# KiCad board kicad.kicad_pcb (continued)
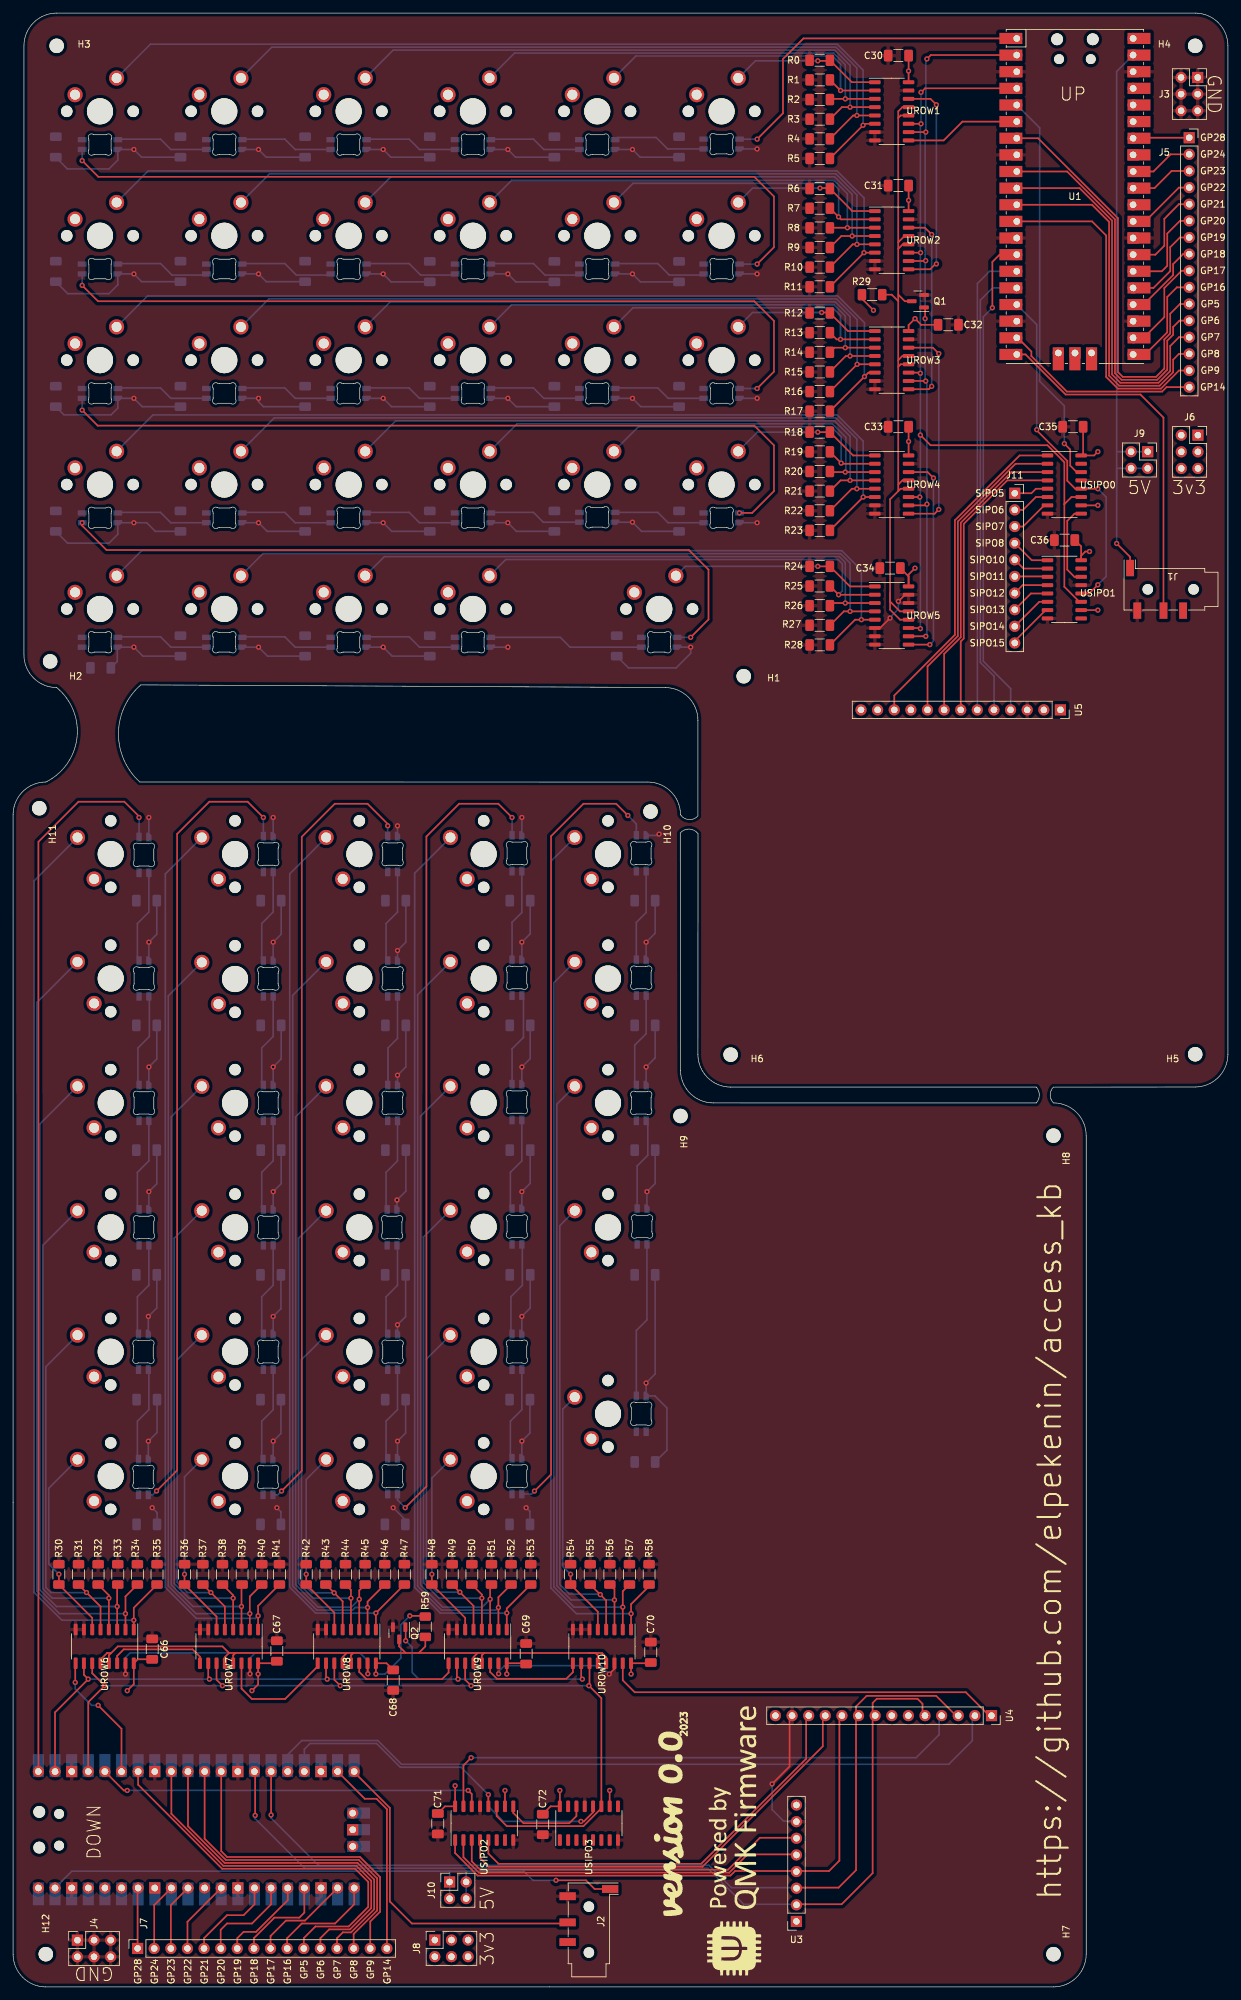
[diagram p0: board, top side]
## Routing (per net, layer and track width the routed paths; a pad name or vN(x,y) marks a point on that pad's centre or on a via; arc(x,y) is an arc through that point) (continued)
RGB23_OUT_L: length 112.5
  Top w0.25: v1(103.55,206.1) 106.28,208.83 106.28,216.43 103.28,219.43 14.28,219.43 10.56,223.16 v1(10.56,223.6)
  Bottom w0.25: v1(103.55,206.1) LED24.3
RGB23_OUT_R: length 121.3
  Top w0.25: v1(93.96,178.9) 92.17,180.69 87.17,180.69 82.22,175.74 82.22,78.26 v1(79.68,75.72)
  Bottom w0.25: v1(93.96,178.9) 95.25,177.6 LED53.3 ; v1(79.68,75.72) 79.24,75.28 LED52.2
RGB_DATA_L: length 53.6
  Top w0.25: U1.1 120.79,297.56 117.66,294.43 117.66,286.13 v1(113.71,282.18)
  Bottom w0.25: LED0.3 v1(113.71,282.18)
RGB_DATA_R: length 164
  Top w0.25: U2.1 3.87,174.87 10,181 17,181 19.25,178.75 v1(19.25,178.59)
  Bottom w0.25: LED29.3 v1(19.25,178.59)
ROW2_OUT_L: length 33.5
  Top w0.25: UROW1.14 140.2,288.34 v1(141.11,287.43) ; UROW2.9 140.16,262.31 140.97,263.12 v1(141.11,263.12)
  Bottom w0.25: v1(141.11,287.43) v1(141.11,263.12)
ROW2_OUT_R: length 15.7
  Top w0.25: 28.56,49.43 28.56,50.43 27.43,51.55 16.91,51.55 15.91,50.55 15.91,49.43
ROW3_OUT_L: length 30.9
  Top w0.25: v1(140.38,267.62) 139.35,268.66 UROW2.14 ; v1(140.38,244.43) 139.94,243.99 UROW3.9
  Bottom w0.25: v1(140.38,267.62) v1(140.38,244.43)
ROW3_OUT_R: length 18.2
  Top w0.25: UROW7.14 34.91,45.57 36.5,43.97 41.58,43.97 46.56,48.95
ROW4_OUT_L: length 33.7
  Top w0.25: v1(141.47,249.43) 140.57,250.34 UROW3.14 ; v1(141.47,225.62) 140.84,224.99 UROW4.9
  Bottom w0.25: v1(141.47,249.43) v1(141.47,225.62)
ROW4_OUT_R: length 17.3
  Top w0.25: 66.56,49.43 66.56,48 65.56,47 54,47 52.91,48.1 UROW8.14
ROW5_OUT_L: length 33.1
  Top w0.25: v1(140.66,230.43) 139.76,231.34 UROW4.14 ; v1(140.11,204.99) UROW5.9
  Bottom w0.25: v1(140.11,204.99) 140.66,205.54 v1(140.66,230.43)
ROW5_OUT_R: length 16.2
  Top w0.25: 85.56,49.43 85.56,48.07 84.55,47.06 73.95,47.06 72.91,48.1 72.91,49.43
SCK_L: length 74.9
  Top w0.25: U1.14 150.77,264.54 149.66,263.43 v1(149.66,256.43)
  Bottom w0.25: v1(149.66,256.43) 148.28,255.05 148.28,202.45 152.46,198.27 152.46,195.01
SCK_R: length 144.8
  Top w0.25: 138.99,41.46 138.99,43.24 138.22,44 132,44 131.37,43.37 131.37,17.37 126.62,12.62 119.82,12.62 ; v1(37,26.19) 37,32.78
  Bottom w0.25: 119.82,12.62 111.66,12.62 106.16,18.12 44.57,18.12 37,25.69 v1(37,26.19)
SCREEN_DC_L: length 46.1
  Top w0.25: USIPO0.3 152.57,231.34 144.84,223.61 144.84,206.11 142.3,203.57 142.3,195.01
SCREEN_DC_R: length 85.3
  Top w0.25: 126.29,41.46 126.29,19.29 124.7,17.7 110.34,17.7 109.64,17 71,17 67.56,20.45 67.56,22.43
SIPO_1: length 5.3
  Top w0.25: USIPO0.5 156.32,228.8 155.62,228.1 J11.1
SIPO_2: length 5.8
  Top w0.25: J11.2 154.35,225.56 156.32,227.53 USIPO0.6
SIPO_3: length 5.8
  Top w0.25: J11.3 154.35,223.02 157.59,226.26
SIPO_4: length 6.1
  Top w0.25: J11.4 155.69,217.88 USIPO1.1
SIPO_5: length 5.6
  Top w0.25: USIPO1.2 154.42,216.61 J11.5
SIPO_6: length 4.9
  Top w0.25: 158.02,215.4 J11.6
SIPO_7: length 5.5
  Top w0.25: USIPO1.4 154.29,214.07 J11.7
SIPO_8: length 6
  Top w0.25: J11.8 155.56,212.8 USIPO1.5
SIPO_9: length 6.6
  Top w0.25: USIPO1.6 156.83,211.53 J11.9
SIPO_10: length 6.7
  Top w0.25: 157.81,210.26 153.08,205.53
SIPO_CS_L: length 54.1
  Top w0.25: v1(165.78,228.8) 162.32,228.8 161.11,230.01 161.11,233.03 156.44,237.7 v1(156.44,237.81) ; USIPO1.12 164.45,212.8 v1(165.78,214.13)
  Bottom w0.25: v1(156.44,237.81) 156.44,253.87 U1.17 ; v1(165.78,214.13) 167.05,215.4 167.05,227.53 v1(165.78,228.8)
SIPO_CS_R: length 57.1
  Top w0.25: v1(86.78,25.27) 87.24,25.27 88.64,26.66 88.64,27.58 ; 72.64,27.58 v1(72.64,29.37)
  Bottom w0.25: U2.17 44.51,36.29 45.39,37.17 55.55,37.17 59.17,33.55 68.45,33.55 v1(72.64,29.37) 72.64,27.58 74.94,25.27 v1(86.78,25.27)
VSYS_L: length 91.8
  Top w0.25: J1.S 170.71,218.38 v1(168.66,220.43)
  Bottom w0.25: 173.36,234.45 168.66,234.45 ; 168.66,229.71 168.66,292.51 U1.39 ; 168.66,229.71 v1(168.66,220.43) ; 168.66,229.71 168.66,231.91 173.36,231.91
VSYS_R: length 95.5
  Top w0.25: J2.S 88.88,14.95 87.55,16.28 v1(82.97,16.28)
  Bottom w0.25: 66.61,17.67 66.71,17.58 J10.1 J10.2 ; 66.61,17.67 69.15,17.67 ; 66.61,17.67 8.97,17.67 U2.39 ; 69.15,17.67 69.25,17.67 69.25,13.49 ; 69.15,17.67 78.04,17.67 79.43,16.28 v1(82.97,16.28)
Net-(LED0-Pad2): length 14.4
  Bottom w0.25: LED1.3 92.34,282.43 98.28,282.43 100.03,280.68 LED0.2
Net-(LED1-Pad2): length 13.7
  Bottom w0.25: 73.59,282.18 79.53,282.18 81.11,280.6 86.64,280.6
Net-(LED2-Pad2): length 13.7
  Bottom w0.25: 54.59,282.18 60.53,282.18 62.11,280.6 67.64,280.6
Net-(LED3-Pad2): length 13.7
  Bottom w0.25: 48.64,280.6 43.11,280.6 41.53,282.18 35.59,282.18
Net-(LED4-Pad2): length 13.7
  Bottom w0.25: 29.64,280.6 24.11,280.6 22.53,282.18 16.59,282.18
Net-(LED5-Pad2): length 123.8
  Top w0.25: v1(10.56,278.9) 13.03,276.43 113.28,276.43 116.28,273.43 116.28,265.67 v1(113.71,263.1)
  Bottom w0.25: 10.56,280.6 v1(10.56,278.9) ; LED6.3 v1(113.71,263.1)
Net-(LED6-Pad2): length 13.9
  Bottom w0.25: 105.81,261.43 100.28,261.43 98.53,263.18 92.59,263.18
Net-(LED8-Pad2): length 13.9
  Bottom w0.25: 54.59,263.18 60.53,263.18 62.28,261.43 67.81,261.43
Net-(LED10-Pad2): length 13.9
  Bottom w0.25: 29.81,261.43 24.28,261.43 22.53,263.18 16.59,263.18
Net-(LED10-Pad3): length 13.9
  Bottom w0.25: 35.59,263.18 41.53,263.18 43.28,261.43 48.81,261.43
Net-(LED11-Pad2): length 123.8
  Top w0.25: v1(10.56,259.85) 12.98,257.43 113.28,257.43 116.28,254.43 116.28,246.67 v1(113.71,244.1)
  Bottom w0.25: v1(10.56,259.85) 10.56,261.6 ; LED12.3 v1(113.71,244.1)
Net-(LED12-Pad2): length 13.7
  Bottom w0.25: 92.59,244.18 98.53,244.18 100.11,242.6 105.64,242.6
Net-(LED13-Pad2): length 13.7
  Bottom w0.25: 73.59,244.18 79.53,244.18 81.11,242.6 86.64,242.6
Net-(LED14-Pad2): length 13.7
  Bottom w0.25: 54.59,244.18 60.53,244.18 62.11,242.6 67.64,242.6
Net-(LED16-Pad2): length 13.7
  Bottom w0.25: 16.59,244.18 22.53,244.18 24.11,242.6 29.64,242.6
Net-(LED17-Pad2): length 123.4
  Top w0.25: v1(111.01,225.1) 112.95,225.1 116.28,228.43 116.28,235.43 113.28,238.43 12.93,238.43 v1(10.56,240.8)
  Bottom w0.25: 10.56,242.6 v1(10.56,240.8)
Net-(LED18-Pad2): length 13.7
  Bottom w0.25: 105.64,223.6 100.11,223.6 98.53,225.18 92.59,225.18
Net-(LED19-Pad2): length 13.6
  Bottom w0.25: 73.59,225.18 79.53,225.18 81.03,223.68 LED19.2
Net-(LED20-Pad2): length 13.7
  Bottom w0.25: 54.59,225.18 60.53,225.18 62.11,223.6 67.64,223.6
Net-(LED21-Pad2): length 13.7
  Bottom w0.25: 48.64,223.6 43.11,223.6 41.53,225.18 35.59,225.18
Net-(LED22-Pad2): length 13.7
  Bottom w0.25: 29.64,223.6 24.11,223.6 22.53,225.18 16.59,225.18
Net-(LED24-Pad2): length 23.3
  Bottom w0.25: 95.69,204.6 85.11,204.6 83.61,206.1 LED25.3
Net-(LED25-Pad2): length 13.7
  Bottom w0.25: 67.64,204.6 62.11,204.6 60.53,206.18 54.59,206.18
Net-(LED26-Pad2): length 13.7
  Bottom w0.25: 35.59,206.18 41.53,206.18 43.11,204.6 48.64,204.6
Net-(LED27-Pad2): length 13.7
  Bottom w0.25: 16.59,206.18 22.53,206.18 24.11,204.6 29.64,204.6
Net-(LED29-Pad2): length 13.9
  Bottom w0.25: 19,157 19,162.4 20.75,164.15 LED29.2
Net-(LED30-Pad2): length 13.9
  Bottom w0.25: 20.83,151.15 20.83,145.15 19.08,143.4 19.08,138
Net-(LED31-Pad2): length 13.9
  Bottom w0.25: 19,119 19,124.4 20.75,126.15 20.75,132.15
Net-(LED32-Pad2): length 13.9
  Bottom w0.25: 19,100 19,105.4 20.75,107.15 20.75,113.15
Net-(LED33-Pad2): length 13.9
  Bottom w0.25: 20.75,94.15 20.75,88.15 19,86.4 19,81
Net-(LED34-Pad2): length 122.2
  Top w0.25: v1(21.93,75.74) 25.07,78.88 25.07,176.07 30,181 35.84,181 v1(38.25,178.59)
  Bottom w0.25: v1(38.25,178.59) LED35.3 ; v1(21.93,75.74) 21.34,75.15 LED34.2
Net-(LED35-Pad2): length 13.9
  Bottom w0.25: 39.75,170.15 39.75,164.15 38,162.4 38,157
Net-(LED37-Pad2): length 13.9
  Bottom w0.25: 38,119 38,124.4 39.75,126.15 39.75,132.15
Net-(LED38-Pad2): length 13.9
  Bottom w0.25: 39.75,113.15 39.75,107.15 38,105.4 38,100
Net-(LED39-Pad2): length 13.9
  Bottom w0.25: 39.75,94.15 39.75,88.15 38,86.4 38,81
Net-(LED40-Pad2): length 121.1
  Top w0.25: v1(57.25,177.32) 57.25,177.6 54.17,180.69 49.17,180.69 44.12,175.64 44.12,78.81 v1(41.03,75.72)
  Bottom w0.25: LED40.2 40.46,75.15 v1(41.03,75.72) ; v1(57.25,177.32) LED41.3
Net-(LED41-Pad2): length 13.9
  Bottom w0.25: 57,157 57,162.4 58.75,164.15 58.75,170.15
Net-(LED42-Pad2): length 13.9
  Bottom w0.25: 59.05,151.15 58.75,150.85 58.75,144.85 57.3,143.4 57.3,138
Net-(LED43-Pad2): length 13.9
  Bottom w0.25: 57,119 57,124.4 58.75,126.15 58.75,132.15
Net-(LED45-Pad2): length 13.9
  Bottom w0.25: 58.75,94.15 58.75,88.15 57,86.4 57,81
Net-(LED46-Pad2): length 125.2
  Top w0.25: v1(59.93,73.18) 63.17,76.42 63.17,175.69 68.17,180.69 74.16,180.69 v1(76.25,178.59)
  Bottom w0.25: LED46.2 58.75,74.36 v1(59.93,73.18) ; v1(76.25,178.59) LED47.3
Net-(LED47-Pad2): length 14.2
  Bottom w0.25: LED47.2 77.75,164.08 76.25,162.58 LED48.3
Net-(LED48-Pad2): length 13.9
  Bottom w0.25: 78,151 78,145 76.25,143.25 LED49.3
Net-(LED49-Pad2): length 13.9
  Bottom w0.25: 77.75,132.15 77.75,126.15 76,124.4 76,119
Net-(LED50-Pad2): length 13.9
  Bottom w0.25: 76.08,100 76.08,105.4 77.83,107.15 77.83,113.15
Net-(LED51-Pad2): length 13.9
  Bottom w0.25: 76,81 76,86.4 77.75,88.15 77.75,94.15
Net-(LED53-Pad2): length 14.2
  Bottom w0.25: LED54.3 95.25,162.58 96.75,164.08 LED53.2
Net-(LED54-Pad2): length 14.1
  Bottom w0.25: LED54.2 96.75,145.58 95,143.83 95,137.98
Net-(LED55-Pad2): length 13.8
  Bottom w0.25: 97,132.03 97,127 95.38,125.38 95.38,118.85
Net-(LED56-Pad2): length 23.8
  Bottom w0.25: LED57.3 95.25,100.25 96.88,101.88 96.88,113.4
Net-(R0-Pad2): length 23.3
  Top w0.25: 131.71,290.88 128.19,290.88 124.92,294.14 v1(122.98,294.14)
  Bottom w0.25: v1(122.98,294.14) 113.45,294.14 SW0.2
Net-(R1-Pad2): length 48.1
  Top w0.25: 131.71,289.61 v1(126.46,289.61) R1.2
  Bottom w0.25: v1(126.46,289.61) 126.46,293.63 125.21,294.88 95.19,294.88 SW1.2
Net-(R2-Pad2): length 68.7
  Top w0.25: 131.71,288.34 v1(127.19,288.34) 124.94,288.34
  Bottom w0.25: v1(127.19,288.34) 127.19,293.54 125.39,295.33 76.64,295.33 SW2.2
Net-(R3-Pad2): length 90.8
  Top w0.25: 131.71,287.07 v1(127.92,287.07) 126.67,287.07 R3.2
  Bottom w0.25: SW3.2 58.09,295.78 125.58,295.78 127.92,293.44 v1(127.92,287.07)
Net-(R4-Pad2): length 113
  Top w0.25: R4.2 128.4,285.8 v1(128.95,285.8) 131.71,285.8
  Bottom w0.25: v1(128.95,285.8) 128.95,293.04 125.76,296.23 39.54,296.23 SW4.2
Net-(R5-Pad2): length 135.4
  Top w0.25: 131.71,284.53 130.13,284.53 v1(129.9,284.3) R5.2
  Bottom w0.25: v1(129.9,284.3) 129.9,292.73 125.95,296.68 20.99,296.68 SW5.2
Net-(R6-Pad2): length 23.2
  Top w0.25: 131.71,271.2 128.27,271.2 124.75,274.71 v1(123.32,274.71)
  Bottom w0.25: SW6.2 113.02,274.71 v1(123.32,274.71)
Net-(R7-Pad2): length 47.7
  Top w0.25: 131.71,269.93 126.54,269.93 v1(126.16,270.31) R7.2
  Bottom w0.25: SW7.2 94.74,275.43 125.28,275.43 126.16,274.56 v1(126.16,270.31)
Net-(R8-Pad2): length 69
  Top w0.25: 124.86,268.66 v1(127.51,268.66) 131.71,268.66
  Bottom w0.25: v1(127.51,268.66) 127.51,273.84 125.47,275.88 76.19,275.88 SW8.2
Net-(R9-Pad2): length 91.1
  Top w0.25: R9.2 126.59,267.39 v1(128.24,267.39) 131.71,267.39
  Bottom w0.25: v1(128.24,267.39) 128.24,273.75 125.55,276.43 57.74,276.43 SW9.2
Net-(R10-Pad2): length 113.1
  Top w0.25: R10.2 128.32,266.12 v1(128.97,266.12) 131.71,266.12
  Bottom w0.25: v1(128.97,266.12) 128.97,273.65 125.74,276.88 39.19,276.88 SW10.2
Net-(R11-Pad2): length 135.3
  Top w0.25: R11.2 v1(130.05,264.85) 131.71,264.85
  Bottom w0.25: v1(130.05,264.85) 130.05,273.21 125.93,277.33 20.64,277.33 SW11.2
Net-(R12-Pad2): length 23
  Top w0.25: v1(123.57,255.71) 124.75,255.71 127.59,252.88 131.71,252.88
  Bottom w0.25: v1(123.57,255.71) 113.02,255.71 SW12.2
Net-(R13-Pad2): length 47.3
  Top w0.25: 131.71,251.61 v1(126.46,251.61) 125.86,251.61 R13.2
  Bottom w0.25: SW13.2 94.74,256.43 125.28,256.43 126.46,255.26 v1(126.46,251.61)
Net-(R14-Pad2): length 68.5
  Top w0.25: R14.2 125.54,250.34 v1(127.19,250.34) 131.71,250.34
  Bottom w0.25: v1(127.19,250.34) 127.19,255.16 125.47,256.88 76.19,256.88 SW14.2
Net-(R15-Pad2): length 90.5
  Top w0.25: 131.71,249.07 v1(127.92,249.07) 127.27,249.07 R15.2
  Bottom w0.25: v1(127.92,249.07) 127.92,255.07 125.65,257.33 57.64,257.33 SW15.2
Net-(R16-Pad2): length 112.7
  Top w0.25: 131.71,247.8 v1(129,247.8) R16.2
  Bottom w0.25: SW16.2 39.09,257.78 125.84,257.78 129,254.62 v1(129,247.8)
Net-(R17-Pad2): length 135.5
  Top w0.25: 131.71,246.53 130.73,246.53 v1(130.12,245.92) R17.2
  Bottom w0.25: v1(130.12,245.92) 130.12,254.14 126.03,258.23 20.54,258.23 SW17.2
Net-(R18-Pad2): length 23.6
  Top w0.25: v1(122.98,237.43) R18.2 128.38,233.88 131.71,233.88
  Bottom w0.25: SW18.2 113.74,237.43 v1(122.98,237.43)
Net-(R19-Pad2): length 48.6
  Top w0.25: R19.2 v1(126.56,232.71) 126.66,232.61 131.71,232.61
  Bottom w0.25: SW19.2 95.57,238.26 125.03,238.26 126.56,236.73 v1(126.56,232.71)
Net-(R20-Pad2): length 69.2
  Top w0.25: 131.71,231.34 v1(127.19,231.34) 124.92,231.34
  Bottom w0.25: SW20.2 77.02,238.71 125.21,238.71 127.28,236.64 127.28,231.43 v1(127.19,231.34)
Net-(R21-Pad2): length 91.3
  Top w0.25: R21.2 126.47,230.07 v1(127.92,230.07) 131.71,230.07
  Bottom w0.25: v1(127.92,230.07) 127.92,236.8 125.55,239.16 58.47,239.16 SW21.2
Net-(R22-Pad2): length 113.4
  Top w0.25: R22.2 128.2,228.8 v1(128.95,228.8) 131.71,228.8
  Bottom w0.25: SW22.2 39.92,239.61 125.74,239.61 128.95,236.4 v1(128.95,228.8)
Net-(R23-Pad2): length 135.6
  Top w0.25: 131.71,227.53 v1(129.93,227.53) R23.2
  Bottom w0.25: SW23.2 21.37,240.06 125.92,240.06 129.93,236.06 v1(129.93,227.53)
Net-(R24-Pad2): length 32.3
  Top w0.25: v1(122.98,216.94) R24.2 127.9,213.88 131.71,213.88
  Bottom w0.25: SW24.2 102.73,216.94 v1(122.98,216.94)
Net-(R25-Pad2): length 67.6
  Top w0.25: R25.2 v1(126.17,212.61) 131.71,212.61
  Bottom w0.25: SW25.2 75.29,217.98 126.09,217.98 126.74,217.34 126.74,213.18 v1(126.17,212.61)
Net-(R26-Pad2): length 87.6
  Top w0.25: 125.23,211.34 v1(127.19,211.34) 131.71,211.34
  Bottom w0.25: SW26.2 56.74,218.43 126.28,218.43 127.19,217.53 v1(127.19,211.34)
Net-(R27-Pad2): length 110.2
  Top w0.25: 131.71,210.07 v1(127.92,210.07) 126.96,210.07 R27.2
  Bottom w0.25: SW27.2 38.19,218.88 126.47,218.88 127.92,217.43 v1(127.92,210.07)
Net-(R28-Pad2): length 132.7
  Top w0.25: 131.71,208.8 v1(129.65,208.8) 128.69,208.8 R28.2
  Bottom w0.25: v1(129.65,208.8) 129.65,216.34 126.65,219.33 19.64,219.33 SW28.2
Net-(R30-Pad2): length 30.5
  Top w0.25: v1(7,63.02) R30.2 12.1,56.36 UROW6.6
  Bottom w0.25: v1(7,63.02) 5.45,64.57 5.45,76.15 SW29.2
Net-(R31-Pad2): length 55.4
  Top w0.25: UROW6.5 13.37,58.09 v1(11.23,60.23) R31.2
  Bottom w0.25: v1(11.23,60.23) 5.78,60.23 5,61 5,94.7 SW30.2
Net-(R32-Pad2): length 78.2
  Top w0.25: R32.2 14.64,59.82 v1(14.64,59.37) 14.64,54.58
  Bottom w0.25: SW31.2 4.55,113.25 4.55,60.81 6,59.37 v1(14.64,59.37)
Net-(R33-Pad2): length 98.9
  Top w0.25: 15.91,61.36 v1(15.91,58.1) UROW6.3
  Bottom w0.25: v1(15.91,58.1) 6.63,58.1 4.1,60.63 4.1,131.8 SW32.2
Net-(R34-Pad2): length 121.2
  Top w0.25: UROW6.2 v1(17.18,57) 17.18,59.63 R34.2
  Bottom w0.25: v1(17.18,57) 7.09,57 3.65,60.44 3.65,150.35 SW33.2
Net-(R35-Pad2): length 143.4
  Top w0.25: R35.2 18.45,57.9 v1(18.45,56) UROW6.1
  Bottom w0.25: SW34.2 3.2,168.9 3.2,60.25 7.45,56 v1(18.45,56)
Net-(R36-Pad2): length 29.1
  Top w0.25: v1(26.2,63.02) R36.2 31.1,56.56 31.1,54.58
  Bottom w0.25: v1(26.2,63.02) 26.2,77.9 SW35.2
Net-(R37-Pad2): length 53.4
  Top w0.25: UROW7.5 32.37,58.09 v1(30.23,60.23) R37.2
  Bottom w0.25: SW36.2 25.07,95.77 25.07,61.79 26.64,60.23 v1(30.23,60.23)
Net-(R38-Pad2): length 76.2
  Top w0.25: R38.2 33.64,59.82 v1(33.64,59.37) 33.64,54.58
  Bottom w0.25: SW37.2 24.62,114.32 24.62,61.61 26.86,59.37 v1(33.64,59.37)
Net-(R39-Pad2): length 96.9
  Top w0.25: 34.91,61.36 v1(34.91,58.1) UROW7.3
  Bottom w0.25: v1(34.91,58.1) 27.5,58.1 24.17,61.42 24.17,132.87 SW38.2
Net-(R40-Pad2): length 119.2
  Top w0.25: R40.2 36.18,59.63 v1(36.18,57) UROW7.2
  Bottom w0.25: v1(36.18,57) 27.95,57 23.72,61.23 23.72,151.34 SW39.2
Net-(R41-Pad2): length 141.4
  Top w0.25: UROW7.1 v1(37.45,56.67) 37.45,58.19 R41.2
  Bottom w0.25: v1(37.45,56.67) 37.05,56.28 28.01,56.28 23.27,61.01 23.27,169.97 SW40.2
Net-(R42-Pad2): length 29
  Top w0.25: v1(44.8,63.02) R42.2 49.1,57.16 49.1,54.58
  Bottom w0.25: SW41.2 44.8,77.5 v1(44.8,63.02)
Net-(R43-Pad2): length 52.9
  Top w0.25: UROW8.5 50.37,58.89 v1(49.06,60.19) R43.2
  Bottom w0.25: v1(49.06,60.19) 45.68,60.19 44.08,61.8 44.08,95.78 SW42.2
Net-(R44-Pad2): length 74.8
  Top w0.25: R44.2 51.64,60.62 v1(51.64,59.37) 51.64,54.58
  Bottom w0.25: SW43.2 43.63,114.33 43.63,61.61 45.87,59.37 v1(51.64,59.37)
Net-(R45-Pad2): length 96.9
  Top w0.25: R45.2 52.91,60.56 v1(52.91,59.21) UROW8.3
  Bottom w0.25: v1(52.91,59.21) 51.7,58 46.6,58 43.18,61.42 43.18,132.88 SW44.2
Net-(R46-Pad2): length 118.5
  Top w0.25: R46.2 54.18,58.83 v1(54.18,57.94) 54.18,54.58
  Bottom w0.25: SW45.2 42.73,151.43 42.73,61.24 46.41,57.55 51.88,57.55 52.27,57.94 v1(54.18,57.94)
Net-(R47-Pad2): length 140.3
  Top w0.25: R47.2 v1(55.45,57.1) UROW8.1
  Bottom w0.25: SW46.2 42.28,169.98 42.28,61.05 46.23,57.1 v1(55.45,57.1)
Net-(R48-Pad2): length 29.3
  Top w0.25: v1(64,63.02) R48.2 69.1,56.36 UROW9.6
  Bottom w0.25: SW47.2 64,77.7 v1(64,63.02)
Net-(R49-Pad2): length 53.1
  Top w0.25: UROW9.5 70.37,58.2 v1(68.28,60.28) R49.2
  Bottom w0.25: SW48.2 63.17,95.87 63.17,61.93 64.82,60.28 v1(68.28,60.28)
Net-(R50-Pad2): length 76
  Top w0.25: 71.64,54.58 v1(71.64,59.37) 71.64,59.93 R50.2
  Bottom w0.25: SW49.2 62.72,114.5 62.72,61.74 65.09,59.37 v1(71.64,59.37)
Net-(R51-Pad2): length 97.3
  Top w0.25: 72.91,61.25 v1(72.91,59.21) UROW9.3
  Bottom w0.25: v1(72.91,59.21) 71.7,58 65.65,58 62.27,61.38 62.27,132.97 SW50.2
Net-(R52-Pad2): length 119.1
  Top w0.25: R52.2 74.18,59.52 v1(74.18,57.94) UROW9.2
  Bottom w0.25: v1(74.18,57.94) 73.79,57.55 65.46,57.55 61.82,61.19 61.82,151.52 SW51.2
Net-(R53-Pad2): length 140.9
  Top w0.25: UROW9.1 v1(75.45,57.1) 75.45,57.79 R53.2
  Bottom w0.25: v1(75.45,57.1) 65.28,57.1 61.37,61.01 61.37,170.07 SW52.2
Net-(R54-Pad2): length 38.5
  Top w0.25: UROW10.5 89.37,57.29 R54.2 v1(85.2,63.02)
  Bottom w0.25: v1(85.2,63.02) 84,64.22 84,88.23 85.84,90.07
Net-(R55-Pad2): length 72.7
  Top w0.25: 90.64,54.58 90.64,59.02 v1(89.74,59.91) R55.2
  Bottom w0.25: v1(89.74,59.91) 89.65,60 85,60 83.55,61.45 83.55,116.25 SW54.2
Net-(R56-Pad2): length 94.3
  Top w0.25: UROW10.3 v1(91.91,59.1) 91.91,60.75 R56.2
  Bottom w0.25: SW55.2 83.1,134.8 83.1,61.26 85.27,59.1 v1(91.91,59.1)
Net-(R57-Pad2): length 115.9
  Top w0.25: UROW10.2 v1(93.18,58) 93.18,60.43 R57.2
  Bottom w0.25: v1(93.18,58) 85.73,58 82.65,61.08 82.65,153.35 SW56.2
Net-(R58-Pad2): length 137.5
  Top w0.25: 97,61 94.45,58.45 v1(94.45,57) UROW10.1
  Bottom w0.25: SW57.2 82.2,171.9 82.2,60.89 86.09,57 v1(94.45,57)
Net-(USIPO0-Pad9): length 12.6
  Top w0.25: USIPO0.9 162.22,224.99 161.11,223.88 161.11,216.43 162.21,215.34 USIPO1.14
Net-(USIPO2-Pad9): length 13.2
  Top w0.25: USIPO3.14 86.1,26.1 85,25 78.01,25 76.45,26.57 USIPO2.9

## Copper pours and planes (outline as drawn; the poured copper is in the pictures)
+3V3 on Bottom: -2,184.27 165,184.27 165,-1 -2,-1
+3V3 on Bottom: 186.28,136.43 0.28,136.43 0.28,303.43 186.28,303.43
GND on Top: 165,184.27 165,-1 -2,-1 -3,184.27
GND on Top: 186.28,136.43 0.28,136.43 0.28,303.43 186.28,303.43

## Text on the board
F.Silkscreen: SIPO10 | SIPO11 | SIPO12 | SIPO13 | SIPO14 | SIPO15 | SIPO5 | SIPO6 | SIPO7 | SIPO8 | GP5 | GP6 | GP7 | GP8 | GP9 | GP20 | GP28 | GP24 | GP23 | GP22 | GP21 | GP19 | GP18 | GP17 | GP16 | GP14 | 2023 | UP | 5V | 3v3 | DOWN | GND | https://github.com/elpekenin/access_kb
